# Altium PCB 10515.0462_全联供主板(2拼版)_V1.0.PcbDoc (part 1 of 18) (continued)
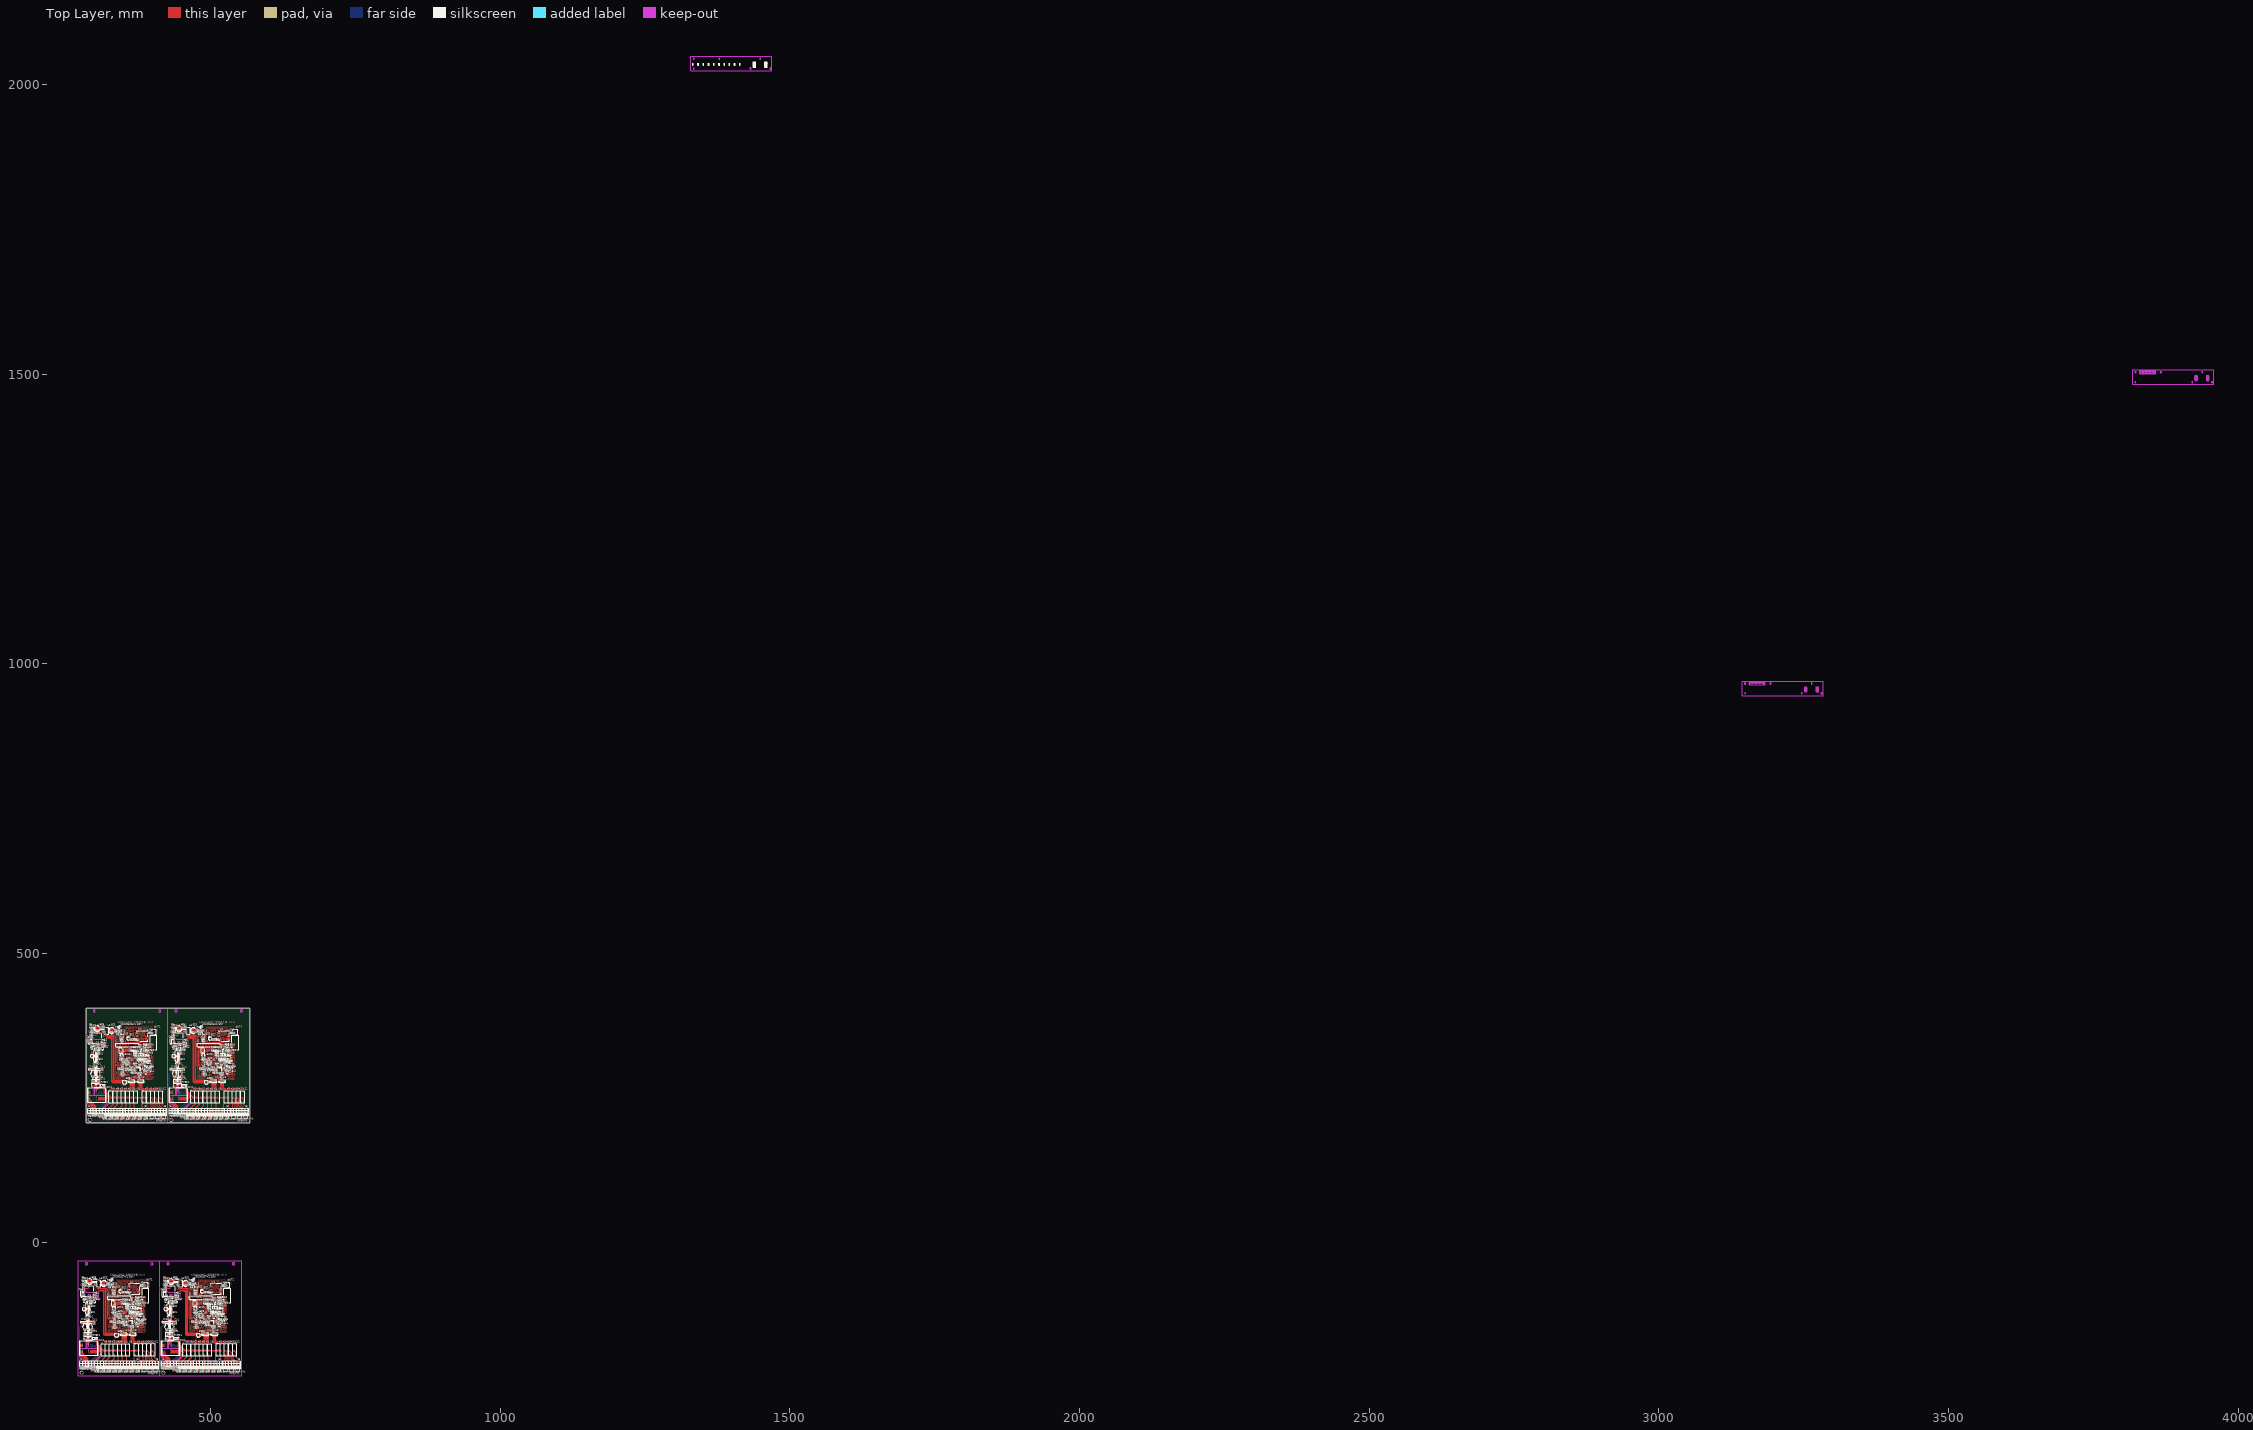
[diagram p0: Top Layer view]
## Components (designator, comment, footprint, x,y, rotation, side; value= is the part's Value field where it differs from the comment) (continued)
J6 "WJ103-5.0" CON/DIP/1×18PIN/5.0MM/WJ103-18P 492.59,225.611 r180 top
J6 "WJ103-5.0" CON/DIP/1×18PIN/5.0MM/WJ103-18P 351.59,225.611 r180 top
J6 "WJ103-5.0" CON/DIP/1×18PIN/5.0MM/WJ103-18P 478.961,-210.984 r180 top
J6 "WJ103-5.0" CON/DIP/1×18PIN/5.0MM/WJ103-18P 337.961,-210.984 r180 top
J8 "WJ103-5.0" CON/DIP/1×6PIN/5.0MM/WJ103-6P 550.092,225.611 r180 top
J8 "WJ103-5.0" CON/DIP/1×6PIN/5.0MM/WJ103-6P 409.092,225.611 r180 top
J8 "WJ103-5.0" CON/DIP/1×6PIN/5.0MM/WJ103-6P 536.463,-210.984 r180 top
J8 "WJ103-5.0" CON/DIP/1×6PIN/5.0MM/WJ103-6P 395.463,-210.984 r180 top
K1 "HF46F/024-HS1T" RELAY/HF46F-012-HSIT 535.897,261.97 r0 top
K1 "HF46F/024-HS1T" RELAY/HF46F-012-HSIT 394.897,261.97 r0 top
K1 "HF46F/024-HS1T" RELAY/HF46F-012-HSIT 522.268,-174.625 r0 top
K1 "HF46F/024-HS1T" RELAY/HF46F-012-HSIT 381.268,-174.625 r0 top
K2 "HF46F/024-HS1T" RELAY/HF46F-012-HSIT 528.785,261.97 r0 top
K2 "HF46F/024-HS1T" RELAY/HF46F-012-HSIT 387.785,261.97 r0 top
K2 "HF46F/024-HS1T" RELAY/HF46F-012-HSIT 515.156,-174.625 r0 top
K2 "HF46F/024-HS1T" RELAY/HF46F-012-HSIT 374.156,-174.625 r0 top
K3 "HF46F/024-HS1T" RELAY/HF46F-012-HSIT 513.926,261.843 r0 top
K3 "HF46F/024-HS1T" RELAY/HF46F-012-HSIT 372.926,261.843 r0 top
K3 "HF46F/024-HS1T" RELAY/HF46F-012-HSIT 500.297,-174.752 r0 top
K3 "HF46F/024-HS1T" RELAY/HF46F-012-HSIT 359.297,-174.752 r0 top
K4 "HF46F/024-HS1T" RELAY/HF46F-012-HSIT 506.824,261.843 r0 top
K4 "HF46F/024-HS1T" RELAY/HF46F-012-HSIT 365.823,261.843 r0 top
K4 "HF46F/024-HS1T" RELAY/HF46F-012-HSIT 493.195,-174.752 r0 top
K4 "HF46F/024-HS1T" RELAY/HF46F-012-HSIT 352.195,-174.752 r0 top
K5 "HF46F/024-HS1T" RELAY/HF46F-012-HSIT 499.664,261.843 r0 top
K5 "HF46F/024-HS1T" RELAY/HF46F-012-HSIT 358.664,261.843 r0 top
K5 "HF46F/024-HS1T" RELAY/HF46F-012-HSIT 486.035,-174.752 r0 top
K5 "HF46F/024-HS1T" RELAY/HF46F-012-HSIT 345.035,-174.752 r0 top
K6 "HF46F/024-HS1T" RELAY/HF46F-012-HSIT 492.504,261.843 r0 top
K6 "HF46F/024-HS1T" RELAY/HF46F-012-HSIT 351.504,261.843 r0 top
K6 "HF46F/024-HS1T" RELAY/HF46F-012-HSIT 478.875,-174.752 r0 top
K6 "HF46F/024-HS1T" RELAY/HF46F-012-HSIT 337.875,-174.752 r0 top
K7 "HF46F/024-HS1T" RELAY/HF46F-012-HSIT 485.345,261.843 r0 top
K7 "HF46F/024-HS1T" RELAY/HF46F-012-HSIT 344.345,261.843 r0 top
K7 "HF46F/024-HS1T" RELAY/HF46F-012-HSIT 471.716,-174.752 r0 top
K7 "HF46F/024-HS1T" RELAY/HF46F-012-HSIT 330.716,-174.752 r0 top
K8 "HF46F/024-HS1T" RELAY/HF46F-012-HSIT 478.185,261.843 r0 top
K8 "HF46F/024-HS1T" RELAY/HF46F-012-HSIT 337.185,261.843 r0 top
K8 "HF46F/024-HS1T" RELAY/HF46F-012-HSIT 464.556,-174.752 r0 top
K8 "HF46F/024-HS1T" RELAY/HF46F-012-HSIT 323.556,-174.752 r0 top
K9 "HF46F/024-HS1T" RELAY/HF46F-012-HSIT 471,261.843 r0 top
K9 "HF46F/024-HS1T" RELAY/HF46F-012-HSIT 330,261.843 r0 top
K9 "HF46F/024-HS1T" RELAY/HF46F-012-HSIT 457.371,-174.752 r0 top
K9 "HF46F/024-HS1T" RELAY/HF46F-012-HSIT 316.371,-174.752 r0 top
K10 "HF46F/024-HS1T" RELAY/HF46F-012-HSIT 543.016,261.97 r0 top
K10 "HF46F/024-HS1T" RELAY/HF46F-012-HSIT 402.016,261.97 r0 top
K10 "HF46F/024-HS1T" RELAY/HF46F-012-HSIT 529.387,-174.625 r0 top
K10 "HF46F/024-HS1T" RELAY/HF46F-012-HSIT 388.387,-174.625 r0 top
K11 "HF46F/024-HS1T" RELAY/HF46F-012-HSIT 550.128,261.97 r0 top
K11 "HF46F/024-HS1T" RELAY/HF46F-012-HSIT 409.128,261.97 r0 top
K11 "HF46F/024-HS1T" RELAY/HF46F-012-HSIT 536.499,-174.625 r0 top
K11 "HF46F/024-HS1T" RELAY/HF46F-012-HSIT 395.499,-174.625 r0 top
K12 "HF46F/024-HS1T" RELAY/HF46F-012-HSIT 557.367,261.97 r0 top
K12 "HF46F/024-HS1T" RELAY/HF46F-012-HSIT 416.367,261.97 r0 top
K12 "HF46F/024-HS1T" RELAY/HF46F-012-HSIT 543.738,-174.625 r0 top
K12 "HF46F/024-HS1T" RELAY/HF46F-012-HSIT 402.738,-174.625 r0 top
L1 "1mH" L/DIP/1mH 435.821,321.242 r90 top
L1 "1mH" L/DIP/1mH 294.821,321.242 r90 top
L1 "1mH" L/DIP/1mH 422.192,-115.353 r90 top
L1 "1mH" L/DIP/1mH 281.192,-115.353 r90 top
L2 "20mH/UU9.8" L/DIP/20mH/UU9.8 446.328,288.868 r180 top
L2 "20mH/UU9.8" L/DIP/20mH/UU9.8 305.328,288.868 r180 top
L2 "20mH/UU9.8" L/DIP/20mH/UU9.8 432.699,-147.727 r180 top
L2 "20mH/UU9.8" L/DIP/20mH/UU9.8 291.699,-147.727 r180 top
L3 "10UH" L/SMT/SWPA3015S150MT 478.953,361.069 r0 top
L3 "10UH" L/SMT/SWPA3015S150MT 337.953,361.069 r0 top
L3 "10UH" L/SMT/SWPA3015S150MT 465.324,-75.526 r0 top
L3 "10UH" L/SMT/SWPA3015S150MT 324.324,-75.526 r0 top
L4 "L/10uH" L/SMT/0603L 507.415,350.59 r180 top
L4 "L/10uH" L/SMT/0603L 366.415,350.59 r180 top
L4 "L/10uH" L/SMT/0603L 493.786,-86.005 r180 top
L4 "L/10uH" L/SMT/0603L 352.786,-86.005 r180 top
L5 "100uH_共模电感" L/DIP/500uH 463.6,370.656 r270 top
L5 "100uH_共模电感" L/DIP/500uH 322.6,370.656 r270 top
L5 "100uH_共模电感" L/DIP/500uH 449.971,-65.939 r270 top
L5 "100uH_共模电感" L/DIP/500uH 308.971,-65.939 r270 top
LED1 "BL-HG635A-TRB高亮绿" D/SMT/LED/0805 524.56,313.252 r270 top
LED1 "BL-HG635A-TRB高亮绿" D/SMT/LED/0805 383.56,313.252 r270 top
LED1 "BL-HG635A-TRB高亮绿" D/SMT/LED/0805 510.931,-123.343 r270 top
LED1 "BL-HG635A-TRB高亮绿" D/SMT/LED/0805 369.931,-123.343 r270 top
Q1 "BC807" BJT/SMT/SOT-23 523.798,333.699 r180 top
Q1 "BC807" BJT/SMT/SOT-23 382.798,333.699 r180 top
Q1 "BC807" BJT/SMT/SOT-23 510.169,-102.896 r180 top
Q1 "BC807" BJT/SMT/SOT-23 369.169,-102.896 r180 top
Q2 "NPN_SS8050" BJT/SMT/SOT-23 521.673,324.036 r0 top
Q2 "NPN_SS8050" BJT/SMT/SOT-23 380.673,324.036 r0 top
Q2 "NPN_SS8050" BJT/SMT/SOT-23 508.044,-112.559 r0 top
Q2 "NPN_SS8050" BJT/SMT/SOT-23 367.044,-112.559 r0 top
Q3 "NPN_SS8050" BJT/SMT/SOT-23 521.673,319.464 r0 top
Q3 "NPN_SS8050" BJT/SMT/SOT-23 380.673,319.464 r0 top
Q3 "NPN_SS8050" BJT/SMT/SOT-23 508.044,-117.131 r0 top
Q3 "NPN_SS8050" BJT/SMT/SOT-23 367.044,-117.131 r0 top
Q4 "NPN_SS8050" BJT/SMT/SOT-23 517.482,324.036 r0 top
Q4 "NPN_SS8050" BJT/SMT/SOT-23 376.482,324.036 r0 top
Q4 "NPN_SS8050" BJT/SMT/SOT-23 503.853,-112.559 r0 top
Q4 "NPN_SS8050" BJT/SMT/SOT-23 362.853,-112.559 r0 top
Q5 "NPN_SS8050" BJT/SMT/SOT-23 515.577,322.004 r180 top
Q5 "NPN_SS8050" BJT/SMT/SOT-23 374.577,322.004 r180 top
Q5 "NPN_SS8050" BJT/SMT/SOT-23 501.948,-114.591 r180 top
Q5 "NPN_SS8050" BJT/SMT/SOT-23 360.948,-114.591 r180 top
R1 "47R/1206" 1206R 434.678,366.073 r90 top
R1 "47R/1206" 1206R 293.678,366.073 r90 top
R1 "47R/1206" 1206R 421.049,-70.522 r90 top
R1 "47R/1206" 1206R 280.049,-70.522 r90 top
R2 "NC" 1206R 438.219,284.931 r0 top
R2 "NC" 1206R 297.219,284.931 r0 top
R2 "NC" 1206R 424.591,-151.664 r0 top
R2 "NC" 1206R 283.591,-151.664 r0 top
R3 "180K/5%/1206" 1206R 435.186,339.657 r90 top
R3 "180K/5%/1206" 1206R 294.186,339.657 r90 top
R3 "180K/5%/1206" 1206R 421.557,-96.938 r90 top
R3 "180K/5%/1206" 1206R 280.557,-96.938 r90 top
R4 "NC" 1206R 445.331,284.931 r0 top
R4 "NC" 1206R 304.331,284.931 r0 top
R4 "NC" 1206R 431.703,-151.664 r0 top
R4 "NC" 1206R 290.703,-151.664 r0 top
R5 "6.8K/0603" 0603R 455.218,369.259 r90 top
R5 "6.8K/0603" 0603R 314.218,369.259 r90 top
R5 "6.8K/0603" 0603R 441.589,-67.336 r90 top
R5 "6.8K/0603" 0603R 300.589,-67.336 r90 top
R6 "100R/1206" 1206R 439.758,335.593 r180 top
R6 "100R/1206" 1206R 298.758,335.593 r180 top
R6 "100R/1206" 1206R 426.129,-101.002 r180 top
R6 "100R/1206" 1206R 285.129,-101.002 r180 top
R7 "10R/0805" 0805R 454.109,339.276 r90 top
R7 "10R/0805" 0805R 313.109,339.276 r90 top
R7 "10R/0805" 0805R 440.48,-97.319 r90 top
R7 "10R/0805" 0805R 299.48,-97.319 r90 top
R8 "20K/0805" 0805R 454.109,343.848 r90 top
R8 "20K/0805" 0805R 313.109,343.848 r90 top
R8 "20K/0805" 0805R 440.48,-92.747 r90 top
R8 "20K/0805" 0805R 299.48,-92.747 r90 top
R9 "3.6K/0805" 0805R 447.632,334.196 r90 top
R9 "3.6K/0805" 0805R 306.632,334.196 r90 top
R9 "3.6K/0805" 0805R 434.003,-102.399 r90 top
R9 "3.6K/0805" 0805R 293.003,-102.399 r90 top
R10 "NC" 0805R 449.791,334.196 r90 top
R10 "NC" 0805R 308.791,334.196 r90 top
R10 "NC" 0805R 436.162,-102.399 r90 top
R10 "NC" 0805R 295.162,-102.399 r90 top
R11 "1.8R/0805" 0805R 445.219,334.196 r90 top
R11 "1.8R/0805" 0805R 304.219,334.196 r90 top
R11 "1.8R/0805" 0805R 431.59,-102.399 r90 top
R11 "1.8R/0805" 0805R 290.59,-102.399 r90 top
R12 "1.8R/0805" 0805R 443.06,334.196 r90 top
R12 "1.8R/0805" 0805R 302.06,334.196 r90 top
R12 "1.8R/0805" 0805R 429.431,-102.399 r90 top
R12 "1.8R/0805" 0805R 288.431,-102.399 r90 top
R13 "20R/0603" 0603R 482.382,363.99 r0 top
R13 "20R/0603" 0603R 341.382,363.99 r0 top
R13 "20R/0603" 0603R 468.753,-72.605 r0 top
R13 "20R/0603" 0603R 327.753,-72.605 r0 top
R14 "100K/0603" 0603R 477.175,368.943 r0 top
R14 "100K/0603" 0603R 336.175,368.943 r0 top
R14 "100K/0603" 0603R 463.546,-67.652 r0 top
R14 "100K/0603" 0603R 322.546,-67.652 r0 top
R15 "51K/0603" 0603R 485.43,366.617 r270 top
R15 "51K/0603" 0603R 344.43,366.617 r270 top
R15 "51K/0603" 0603R 471.801,-69.979 r270 top
R15 "51K/0603" 0603R 330.801,-69.979 r270 top
R16 "39K/0603" 0603R 485.43,363.355 r270 top
R16 "39K/0603" 0603R 344.43,363.355 r270 top
R16 "39K/0603" 0603R 471.801,-73.24 r270 top
R16 "39K/0603" 0603R 330.801,-73.24 r270 top
R17 "100K/0603" 0603R 480.731,368.943 r180 top
R17 "100K/0603" 0603R 339.731,368.943 r180 top
R17 "100K/0603" 0603R 467.102,-67.652 r180 top
R17 "100K/0603" 0603R 326.102,-67.652 r180 top
R18 "12K/0603" 0603R 486.827,366.617 r90 top
R18 "12K/0603" 0603R 345.827,366.617 r90 top
R18 "12K/0603" 0603R 473.198,-69.979 r90 top
R18 "12K/0603" 0603R 332.198,-69.979 r90 top
R19 "100K/0603" 0603R 494.622,302.573 r90 top
R19 "100K/0603" 0603R 353.622,302.573 r90 top
R19 "100K/0603" 0603R 480.993,-134.022 r90 top
R19 "100K/0603" 0603R 339.993,-134.022 r90 top
R20 "33K/0603" 0603R 496.146,302.573 r270 top
R20 "33K/0603" 0603R 355.146,302.573 r270 top
R20 "33K/0603" 0603R 482.517,-134.022 r270 top
R20 "33K/0603" 0603R 341.517,-134.022 r270 top
R21 "100R/0603" 0603R 489.034,298.509 r0 top
R21 "100R/0603" 0603R 348.034,298.509 r0 top
R21 "100R/0603" 0603R 475.405,-138.086 r0 top
R21 "100R/0603" 0603R 334.405,-138.086 r0 top
R22 "1K/0603" 0603R 496.971,300.16 r180 top
R22 "1K/0603" 0603R 355.971,300.16 r180 top
R22 "1K/0603" 0603R 483.343,-136.435 r180 top
R22 "1K/0603" 0603R 342.343,-136.435 r180 top
R23 "100K/0603" 0603R 483.446,300.922 r270 top
R23 "100K/0603" 0603R 342.446,300.922 r270 top
R23 "100K/0603" 0603R 469.817,-135.673 r270 top
R23 "100K/0603" 0603R 328.817,-135.673 r270 top
R24 "10K/0603" 0603R 511.005,326.83 r180 top
R24 "10K/0603" 0603R 370.005,326.83 r180 top
R24 "10K/0603" 0603R 497.376,-109.765 r180 top
R24 "10K/0603" 0603R 356.376,-109.765 r180 top
R25 "10K/0603" 0603R 511.005,325.376 r0 top
R25 "10K/0603" 0603R 370.005,325.376 r0 top
R25 "10K/0603" 0603R 497.376,-111.219 r0 top
R25 "10K/0603" 0603R 356.376,-111.219 r0 top
R26 "430R/0603" 0603R 511.005,320.338 r180 top
R26 "430R/0603" 0603R 370.005,320.338 r180 top
R26 "430R/0603" 0603R 497.376,-116.257 r180 top
R26 "430R/0603" 0603R 356.376,-116.257 r180 top
R27 "10K/0603" 0603R 511.005,323.852 r180 top
R27 "10K/0603" 0603R 370.005,323.852 r180 top
R27 "10K/0603" 0603R 497.376,-112.743 r180 top
R27 "10K/0603" 0603R 356.376,-112.743 r180 top
R28 "0R/0603" 0603R 535.089,364.654 r0 top
R28 "0R/0603" 0603R 394.089,364.654 r0 top
R28 "0R/0603" 0603R 521.461,-71.942 r0 top
R28 "0R/0603" 0603R 380.461,-71.942 r0 top
R29 "10K/0603" 0603R 517.482,287.46 r270 top
R29 "10K/0603" 0603R 376.482,287.46 r270 top
R29 "10K/0603" 0603R 503.853,-149.135 r270 top
R29 "10K/0603" 0603R 362.853,-149.135 r270 top
R30 "10K/0603" 0603R 533.103,301.303 r0 top
R30 "10K/0603" 0603R 392.103,301.303 r0 top
R30 "10K/0603" 0603R 519.474,-135.292 r0 top
R30 "10K/0603" 0603R 378.474,-135.292 r0 top
R31 "430R/0603" 0603R 529.667,301.303 r0 top
R31 "430R/0603" 0603R 388.667,301.303 r0 top
R31 "430R/0603" 0603R 516.038,-135.292 r0 top
R31 "430R/0603" 0603R 375.038,-135.292 r0 top
R32 "NC" 0603R 525.991,296.477 r270 top
R32 "NC" 0603R 384.991,296.477 r270 top
R32 "NC" 0603R 512.362,-140.118 r270 top
R32 "NC" 0603R 371.362,-140.118 r270 top
R33 "1K/0603" 0603R 526.445,312.389 r90 top
R33 "1K/0603" 0603R 385.445,312.389 r90 top
R33 "1K/0603" 0603R 512.816,-124.206 r90 top
R33 "1K/0603" 0603R 371.816,-124.206 r90 top
R34 "10K/0603" 0603R 504.528,294.278 r90 top
R34 "10K/0603" 0603R 363.528,294.278 r90 top
R34 "10K/0603" 0603R 490.899,-142.318 r90 top
R34 "10K/0603" 0603R 349.899,-142.318 r90 top
R35 "430R/0603" 0603R 501.917,331.275 r180 top
R35 "430R/0603" 0603R 360.917,331.275 r180 top
R35 "430R/0603" 0603R 488.289,-105.32 r180 top
R35 "430R/0603" 0603R 347.289,-105.32 r180 top
R36 "10K/0603" 0603R 501.917,332.926 r180 top
R36 "10K/0603" 0603R 360.917,332.926 r180 top
R36 "10K/0603" 0603R 488.289,-103.669 r180 top
R36 "10K/0603" 0603R 347.289,-103.669 r180 top
R37 "430R/0603" 0603R 505.48,331.275 r180 top
R37 "430R/0603" 0603R 364.48,331.275 r180 top
R37 "430R/0603" 0603R 491.852,-105.32 r180 top
R37 "430R/0603" 0603R 350.852,-105.32 r180 top
R38 "430R/0603" 0603R 508.902,331.275 r180 top
R38 "430R/0603" 0603R 367.902,331.275 r180 top
R38 "430R/0603" 0603R 495.274,-105.32 r180 top
R38 "430R/0603" 0603R 354.274,-105.32 r180 top
R39 "10K/0603" 0603R 505.48,332.926 r180 top
R39 "10K/0603" 0603R 364.48,332.926 r180 top
R39 "10K/0603" 0603R 491.852,-103.669 r180 top
R39 "10K/0603" 0603R 350.852,-103.669 r180 top
R40 "10K/0603" 0603R 508.902,332.926 r180 top
R40 "10K/0603" 0603R 367.902,332.926 r180 top
R40 "10K/0603" 0603R 495.274,-103.669 r180 top
R40 "10K/0603" 0603R 354.274,-103.669 r180 top
R41 "10K/0603" 0603R 522.655,335.477 r180 top
R41 "10K/0603" 0603R 381.655,335.477 r180 top
R41 "10K/0603" 0603R 509.026,-101.118 r180 top
R41 "10K/0603" 0603R 368.026,-101.118 r180 top
R42 "10K/0603" 0603R 525.356,325.825 r270 top
R42 "10K/0603" 0603R 384.356,325.825 r270 top
R42 "10K/0603" 0603R 511.727,-110.77 r270 top
R42 "10K/0603" 0603R 370.727,-110.77 r270 top
R43 "10K/0603" 0603R 525.356,321.242 r270 top
R43 "10K/0603" 0603R 384.356,321.242 r270 top
R43 "10K/0603" 0603R 511.727,-115.353 r270 top
R43 "10K/0603" 0603R 370.727,-115.353 r270 top
R44 "10K/0603" 0603R 518.371,317.686 r0 top
R44 "10K/0603" 0603R 377.371,317.686 r0 top
R44 "10K/0603" 0603R 504.742,-118.909 r0 top
R44 "10K/0603" 0603R 363.742,-118.909 r0 top
R45 "220R/5%/1206" 1206R 519.895,328.989 r0 top
R45 "220R/5%/1206" 1206R 378.895,328.989 r0 top
R45 "220R/5%/1206" 1206R 506.266,-107.606 r0 top
R45 "220R/5%/1206" 1206R 365.266,-107.606 r0 top
R46 "10K/0603" 0603R 522.308,317.686 r180 top
R46 "10K/0603" 0603R 381.308,317.686 r180 top
R46 "10K/0603" 0603R 508.679,-118.909 r180 top
R46 "10K/0603" 0603R 367.679,-118.909 r180 top
R47 "10K/0603" 0603R 518.371,319.845 r180 top
R47 "10K/0603" 0603R 377.371,319.845 r180 top
R47 "10K/0603" 0603R 504.742,-116.75 r180 top
R47 "10K/0603" 0603R 363.742,-116.75 r180 top
R48 "220R/5%/1206" 1206R 513.799,328.989 r0 top
R48 "220R/5%/1206" 1206R 372.799,328.989 r0 top
R48 "220R/5%/1206" 1206R 500.17,-107.606 r0 top
R48 "220R/5%/1206" 1206R 359.17,-107.606 r0 top
R49 "1K/0603" 0603R 518.371,322.004 r0 top
R49 "1K/0603" 0603R 377.371,322.004 r0 top
R49 "1K/0603" 0603R 504.742,-114.591 r0 top
R49 "1K/0603" 0603R 363.742,-114.591 r0 top
R50 "10K/0603" 0603R 514.561,317.686 r0 top
R50 "10K/0603" 0603R 373.561,317.686 r0 top
R50 "10K/0603" 0603R 500.932,-118.909 r0 top
R50 "10K/0603" 0603R 359.932,-118.909 r0 top
R51 "10K/0603" 0603R 514.561,326.83 r180 top
R51 "10K/0603" 0603R 373.561,326.83 r180 top
R51 "10K/0603" 0603R 500.932,-109.765 r180 top
R51 "10K/0603" 0603R 359.932,-109.765 r180 top
R52 "1K/0603" 0603R 514.585,325.393 r180 top
R52 "1K/0603" 0603R 373.585,325.393 r180 top
R52 "1K/0603" 0603R 500.956,-111.202 r180 top
R52 "1K/0603" 0603R 359.956,-111.202 r180 top
R53 "10K/0603" 0603R 530.086,318.557 r270 top
R53 "10K/0603" 0603R 389.086,318.557 r270 top
R53 "10K/0603" 0603R 516.457,-118.039 r270 top
R53 "10K/0603" 0603R 375.457,-118.039 r270 top
R54 "10K/0603" 0603R 533.183,318.557 r270 top
R54 "10K/0603" 0603R 392.183,318.557 r270 top
R54 "10K/0603" 0603R 519.554,-118.039 r270 top
R54 "10K/0603" 0603R 378.554,-118.039 r270 top
R55 "10K/0603" 0603R 530.975,331.029 r0 top
R55 "10K/0603" 0603R 389.975,331.029 r0 top
R55 "10K/0603" 0603R 517.346,-105.567 r0 top
R55 "10K/0603" 0603R 376.346,-105.567 r0 top
R56 "10R/5%/1206" 1206R 522.909,338.398 r180 top
R56 "10R/5%/1206" 1206R 381.909,338.398 r180 top
R56 "10R/5%/1206" 1206R 509.28,-98.197 r180 top
R56 "10R/5%/1206" 1206R 368.28,-98.197 r180 top
R57 "100R/0603" 0603R 534.731,318.557 r270 top
R57 "100R/0603" 0603R 393.731,318.557 r270 top
R57 "100R/0603" 0603R 521.103,-118.039 r270 top
R57 "100R/0603" 0603R 380.103,-118.039 r270 top
R58 "10R/5%/1206" 1206R 522.909,340.938 r180 top
R58 "10R/5%/1206" 1206R 381.909,340.938 r180 top
R58 "10R/5%/1206" 1206R 509.28,-95.657 r180 top
R58 "10R/5%/1206" 1206R 368.28,-95.657 r180 top
R59 "10K/0603" 0603R 534.15,331.029 r0 top
R59 "10K/0603" 0603R 393.15,331.029 r0 top
R59 "10K/0603" 0603R 520.521,-105.567 r0 top
R59 "10K/0603" 0603R 379.521,-105.567 r0 top
R60 "10K/0603" 0603R 531.634,318.557 r90 top
R60 "10K/0603" 0603R 390.634,318.557 r90 top
R60 "10K/0603" 0603R 518.006,-118.039 r90 top
R60 "10K/0603" 0603R 377.006,-118.039 r90 top
R61 "100R/0603" 0603R 528.243,321.242 r90 top
R61 "100R/0603" 0603R 387.243,321.242 r90 top
R61 "100R/0603" 0603R 514.614,-115.353 r90 top
R61 "100R/0603" 0603R 373.614,-115.353 r90 top
R62 "100R/0603" 0603R 526.846,321.242 r90 top
R62 "100R/0603" 0603R 385.846,321.242 r90 top
R62 "100R/0603" 0603R 513.217,-115.353 r90 top
R62 "100R/0603" 0603R 372.217,-115.353 r90 top
R69 "1K/0603" 0603R 501.607,300.16 r180 top
R69 "1K/0603" 0603R 360.607,300.16 r180 top
R69 "1K/0603" 0603R 487.978,-136.435 r180 top
R69 "1K/0603" 0603R 346.978,-136.435 r180 top
RF1 "100R/2W" FUSE/3.15A 452.424,272.104 r0 top
RF1 "100R/2W" FUSE/3.15A 311.424,272.104 r0 top
RF1 "100R/2W" FUSE/3.15A 438.795,-164.491 r0 top
RF1 "100R/2W" FUSE/3.15A 297.795,-164.491 r0 top
RXD1 "OTHER/TEST" TEST#2 501.099,298.763 r270 top
RXD1 "OTHER/TEST" TEST#2 360.099,298.763 r270 top
RXD1 "OTHER/TEST" TEST#2 487.47,-137.832 r270 top
RXD1 "OTHER/TEST" TEST#2 346.47,-137.832 r270 top
RY1 "TDK471KD14" RES/RY/TDK471KD14 443.28,272.612 r0 top
RY1 "TDK471KD14" RES/RY/TDK471KD14 302.28,272.612 r0 top
RY1 "TDK471KD14" RES/RY/TDK471KD14 429.651,-163.983 r0 top
RY1 "TDK471KD14" RES/RY/TDK471KD14 288.651,-163.983 r0 top
SW1 "船型开关" "DIP4 - DUPLICATE" 434.644,260.42 r270 top
SW1 "船型开关" "DIP4 - DUPLICATE" 293.644,260.42 r270 top
SW1 "船型开关" "DIP4 - DUPLICATE" 421.015,-176.175 r270 top
SW1 "船型开关" "DIP4 - DUPLICATE" 280.015,-176.175 r270 top
T1 "OTHER/TEST" TEST#2 504.147,298.89 r180 top
T1 "OTHER/TEST" TEST#2 363.147,298.89 r180 top
T1 "OTHER/TEST" TEST#2 490.518,-137.705 r180 top
T1 "OTHER/TEST" TEST#2 349.518,-137.705 r180 top
TR1 "PN8370 24V 0.4A" "L/TRANS/DIP/PN8370 24V 0.4A" 438.234,346.769 r90 top
TR1 "PN8370 24V 0.4A" "L/TRANS/DIP/PN8370 24V 0.4A" 297.234,346.769 r90 top
TR1 "PN8370 24V 0.4A" "L/TRANS/DIP/PN8370 24V 0.4A" 424.605,-89.826 r90 top
TR1 "PN8370 24V 0.4A" "L/TRANS/DIP/PN8370 24V 0.4A" 283.605,-89.826 r90 top
TXD1 "OTHER/TEST" TEST#2 502.623,298.763 r270 top
TXD1 "OTHER/TEST" TEST#2 361.623,298.763 r270 top
TXD1 "OTHER/TEST" TEST#2 488.994,-137.832 r270 top
TXD1 "OTHER/TEST" TEST#2 347.994,-137.832 r270 top
U1 "PN8370" SOP-7 447.124,341.181 r180 top
U1 "PN8370" SOP-7 306.124,341.181 r180 top
U1 "PN8370" SOP-7 433.495,-95.414 r180 top
U1 "PN8370" SOP-7 292.495,-95.414 r180 top
U2 "MP9942/SOT23-8" TSOT-8 479.087,367.603 r0 top
U2 "MP9942/SOT23-8" TSOT-8 338.087,367.603 r0 top
U2 "MP9942/SOT23-8" TSOT-8 465.458,-68.992 r0 top
U2 "MP9942/SOT23-8" TSOT-8 324.458,-68.992 r0 top
U3 "LM358" SOIC-8 485.916,304.217 r0 top
U3 "LM358" SOIC-8 344.916,304.217 r0 top
U3 "LM358" SOIC-8 472.287,-132.378 r0 top
U3 "LM358" SOIC-8 331.287,-132.378 r0 top
U4 "LSD4RF-2F717N30" MODEL/LSD4RF-2F717N30 522.782,357.575 r270 top
U4 "LSD4RF-2F717N30" MODEL/LSD4RF-2F717N30 381.782,357.575 r270 top
U4 "LSD4RF-2F717N30" MODEL/LSD4RF-2F717N30 509.153,-79.02 r270 top
U4 "LSD4RF-2F717N30" MODEL/LSD4RF-2F717N30 368.153,-79.02 r270 top
U5 "STM32F030RCT6/LQFP64" LQFP64 521.108,295.087 r180 top locked
U5 "STM32F030RCT6/LQFP64" LQFP64 380.108,295.087 r180 top locked
U5 "STM32F030RCT6/LQFP64" LQFP64 507.479,-141.508 r180 top locked
U5 "STM32F030RCT6/LQFP64" LQFP64 366.479,-141.508 r180 top locked
U6 "M24512-RMN6TP" SOP-8 485.986,293.556 r0 top
U6 "M24512-RMN6TP" SOP-8 344.986,293.556 r0 top
U6 "M24512-RMN6TP" SOP-8 472.357,-143.039 r0 top
U6 "M24512-RMN6TP" SOP-8 331.357,-143.039 r0 top
U7 "ULN2003ADR" SOP-16 509.862,281.745 r270 top
U7 "ULN2003ADR" SOP-16 368.862,281.745 r270 top
U7 "ULN2003ADR" SOP-16 496.233,-154.85 r270 top
U7 "ULN2003ADR" SOP-16 355.233,-154.85 r270 top
U8 "ULN2003ADR" SOP-16 525.229,281.745 r270 top
U8 "ULN2003ADR" SOP-16 384.229,281.745 r270 top
U8 "ULN2003ADR" SOP-16 511.6,-154.85 r270 top
U8 "ULN2003ADR" SOP-16 370.6,-154.85 r270 top
U9 "SP3485" SOP-8 530.594,322.24 r90 top
U9 "SP3485" SOP-8 389.594,322.24 r90 top
U9 "SP3485" SOP-8 516.965,-114.356 r90 top
U9 "SP3485" SOP-8 375.965,-114.356 r90 top
U10 "SPX1117" SOT-223 489,336.112 r180 top
U10 "SPX1117" SOT-223 348,336.112 r180 top
U10 "SPX1117" SOT-223 475.371,-100.483 r180 top
U10 "SPX1117" SOT-223 334.371,-100.483 r180 top
XTAL1 "OSC 12MHZ" OSC/SMT/12M 527.999,297.693 r0 top
XTAL1 "OSC 12MHZ" OSC/SMT/12M 386.999,297.693 r0 top
XTAL1 "OSC 12MHZ" OSC/SMT/12M 514.37,-138.902 r0 top
XTAL1 "OSC 12MHZ" OSC/SMT/12M 373.37,-138.902 r0 top

## Footprints (in the part's own frame and the unit in brackets; to place one, negate y for a bottom-side part, rotate by r counter-clockwise, add the part's x,y. Pads: shape width x height; smd on the part's side, far side on the other; paste and mask are expansions set on the pad)
0603R [mil]
  rect 35x32 smd: 1(-32.5,0) 2(32.5,0)
  silkscreen extent -58,-25 58,25, body extent -33,-15 30,16, height 18
0805R [mm]
  rect 1.2x1.524 smd: 1(0,0) 2(2.3,0)
  silkscreen extent -1,-1.1 3.3,1.1, body extent 0.13,-0.64 2.13,0.62, height 0.55
1206R [mm]
  rect 1.5x1.5 smd: 1(-0.02,0) 2(3.409,0)
  silkscreen extent -1.29,-1.27 4.68,1.27, body extent 0.13,-0.76 3.33,0.84, height 0.6
BJT/SMT/SOT-23 [mm]
  rect 1.143x1.27 smd: 1(0,0) 2(1.95,0)
  rect 1.27x1.27 smd: 3(1,2.5)
  silkscreen extent -0.78,-0.8 2.78,3.26
CAP/DIP/0.1uF/250V [mil]
  round 79 hole 39: 1(-399,0) 2(0,0)
  silkscreen extent -472,-118 79,118
CAP/DIP/6.8UF/400V/10MM [mm]
  oval 2x1.6 hole 1: 1(0,-2.5) 2(0,2.5)
  silkscreen extent -4.95,-5.02 5.13,4.98
CAP/DIP/10uF/50V [mm]
  oval 1x1.5 hole 0.7: 1(0,0) 2(2,0)
  silkscreen extent -1.5,-2.5 3.5,2.5
CAP/DIP/102M/250V [mm]
  round 1.5 hole 0.8: 1(0,0) 2(10,0)
  silkscreen extent -1.3,-1.29 11.46,1.31
CAP/SMT/100UF/25V [mm]
  rect 2x2 smd: 1(-0.325,-0.127) 2(6.675,-0.127)
  silkscreen extent -0.1,-3.49 6.3,2.91
CAP/SMT/220UF/16V [mm]
  rect 3.3x1.7 smd: 1(-2.789,0.007) 2(2.811,0.007)
  silkscreen extent -4.06,-3.29 3.31,3.31
CAP/SMT/220UF/50V [mm]
  rect 3.3x1.7 smd: 1(0,-5) 2(10.3,-5)
  silkscreen extent -1.27,-10.2 10.08,-0.21
CAP/SMT/330UF/6.3V [mm]
  rect 2x2 smd: 1(0.056,0) 2(7.056,0)
  silkscreen extent 0.28,-3.37 6.68,3.03
CAP/SMT/0603C [mil]
  rect 35x32 smd: 1(-1,1.97) 2(64,1.97)
  silkscreen extent -28,-24 89,30, body extent -20,-20 82,19, height 35
CAP/SMT/0805C [mm]
  rect 1.2x1.524 smd: 1(0.01,0.01) 2(2.296,0.01)
  silkscreen extent -0.99,-1.13 3.32,1.15, body extent -0.38,-0.64 2.62,0.76, height 0.93
CAP/SMT/1206C [mm]
  rect 1.5x1.5 smd: 1(0.026,0.025) 2(3.455,0.025)
  silkscreen extent -1.25,-1.24 4.73,1.3, body extent -0.38,-0.89 3.82,0.91, height 0.95
CAP/SMT/TAJC476M010RNJ [mm]
  rect 2x3.5 smd: 1(0.047,-0.183)
  oct 2x3.5 smd: 2(5.647,-0.183)
  silkscreen extent -1.25,-2.18 6.95,1.82, body extent -0.13,-1.78 5.87,1.42, height 2.6
CON/DIP/1×3PIN/5.0MM/WJ103-3P [mm]
  round 2.5 hole 1.6: 1(-5,0)
  round 2.5 hole 1.3: 2(0,0) 3(5,0)
  silkscreen extent -7.5,-7.3 8.1,6.1
CON/DIP/1×5PIN/2.0MM [mm]
  rect 1.575x1.575 hole 0.8 mask+0.102: 1(0,0)
  round 1.575 hole 0.8 mask+0.102: 2(2,0) 3(4,0) 4(6,0)
  oval 1.2x1.5 hole 0.8 mask+0.102: 5(8,0)
  silkscreen extent -1.27,-1.27 9.14,1.27
CON/DIP/1×6PIN/5.0MM/WJ103-6P [mm]
  round 2.5 hole 1.3: 1(-12.5,0) 2(-7.5,0) 3(-2.5,0) 4(2.5,0) 5(7.5,0) 6(12.5,0)
  silkscreen extent -15,-7.3 15.6,6.1
CON/DIP/1×18PIN/5.0MM/WJ103-18P [mm]
  round 2.5 hole 1.6: 1(-40,0)
  round 2.5 hole 1.3: 2(-35,0) 3(-30,0) 4(-25,0) 5(-20,0) 6(-15,0) 7(-10,0) 8(-5,0) 9(0,0) 10(5,0) 11(10,0) 12(15,0) 13(20,0) 14(25,0) 15(30,0) 16(35,0) 17(40,0) 18(45,0)
  silkscreen extent -42.5,-7.3 48.1,6.1
CON/DIP/2X15PIN/2.54MM [mil]
  round 60 hole 35.43: 1(0,0) 2(100,0) 3(0,-100) 4(100,-100) 5(0,-200) 6(100,-200) 7(0,-300) 8(100,-300) 9(0,-400) 10(100,-400) 20(100,-900) 21(0,-1000) 22(100,-1000) 23(0,-1100) 24(100,-1100) 25(0,-1200) 26(100,-1200) 27(0,-1300) 28(100,-1300) 29(0,-1400) 30(100,-1400)
  oval 60x39.37 hole 35.43: 11(0,-500) 12(100,-500) 13(0,-600) 14(100,-600) 15(0,-700) 16(100,-700) 17(0,-800) 18(100,-800) 19(0,-900)
  silkscreen extent -65,-1470 170,100
D/SMT/DO-214AC [mil]
  rect 94.49x100 smd: 1(-187.98,-2) 2(1,-2)
  silkscreen extent -274,-65 56,61, body extent -190,-55 15,47, height 40
D/SMT/LED/0805 [mil]
  rect 50x60 smd: 1(2,-6) 2(92,-6)
  silkscreen extent -28,-46 178,34
D/SMT/MD6S-TR [mm]
  oval 3x1.2 smd: 1(-2.745,1.252) 2(-2.745,-1.248) 3(2.455,-1.248) 4(2.455,1.252)
  silkscreen extent -4.37,-4.29 4.24,3.61, body extent -3.44,-2.54 3.56,2.36, height 2.9
D/SMT/SMBJ4.0A [mil]
  rect 70x100 smd: 1(-4.72,-10) 2(200,-10)
  silkscreen extent -4,-96 232,70
D/SMT/SOD123 [mm]
  rect 2x1.8 smd: 1(0.229,0) 2(4.597,0)
  silkscreen extent -1.4,-1.14 5.84,1.14, body extent 0.51,-0.76 4.21,0.84, height 1.2
D/SMT/SOD-123 [mm]
  rect 1.6x1.2 smd: 1(-1.8,0) 2(1.8,0)
  silkscreen extent -3.43,-0.9 2.78,0.9, body extent -1.91,-0.76 1.79,0.84, height 1.2
"DIP4 - DUPLICATE" [mm]
  oval 7.5x2.5 hole 1.1 slot 6.5 at 0 deg: 2(0,10.5) 4(10.5,10.5) ""(0,0) ""(10.5,0)
  silkscreen extent -7.37,-5.08 17.63,25.92
FUSE/3.15A [mm]
  round 1.8 hole 1.1: 1(0,0) 2(5.08,0)
  silkscreen extent -1.71,-2 6.79,2
L/DIP/1mH [mm]
  round 1.5 hole 0.9: 1(0,0) 2(3,0)
  silkscreen extent -1.5,-3 4.5,3
L/DIP/20mH/UU9.8 [mm]
  rect 2x2 hole 0.85: 1(0,0)
  round 2 hole 0.85: 2(0,-7) 3(8,-7) 4(8,0)
  silkscreen extent -4.25,-9 12.25,2
L/DIP/500uH [mm]
  round 2 hole 0.9: 1(0,-4.875) 2(7.55,-4.85) 3(7.55,0) 4(0,0)
  silkscreen extent -2.08,-6.16 9.92,1.34
L/SMT/0603L [mil]
  rect 35x32 smd: 1(-1,-1) 2(64,-1)
  silkscreen extent -28,-26 91,24
L/SMT/SWPA3015S150MT [mm]
  rect 1.5x3 smd: 1(0.175,0.051) 2(3.175,0.051)
  silkscreen extent 0.25,-1.91 3.17,2.03
"L/TRANS/DIP/PN8370 24V 0.4A" [mm]
  round 1.6 hole 0.8: 1(0,0) 3(0,-6) 4(0,-9) 5(0,-12) 8(14,-6) 10(14,0)
  silkscreen extent -1.95,-14.22 16.26,1.65
LQFP64 [mm]
  rect 1.55x0.22 smd: 1(-0.193,0.013) 2(-0.193,-0.487) 3(-0.193,-0.987) 4(-0.193,-1.487) 5(-0.193,-1.987) 6(-0.193,-2.487) 7(-0.193,-2.987) 8(-0.193,-3.487) 9(-0.193,-3.987) 10(-0.193,-4.487) 11(-0.193,-4.987) 12(-0.193,-5.487) 13(-0.193,-5.987) 14(-0.193,-6.487) 15(-0.193,-6.987) 16(-0.193,-7.487) 33(12.107,-7.487) 34(12.107,-6.987) 35(12.107,-6.487) 36(12.107,-5.987) 37(12.107,-5.487) 38(12.107,-4.987) 39(12.107,-4.487) 40(12.107,-3.987) 41(12.107,-3.487) 42(12.107,-2.987) 43(12.107,-2.487) 44(12.107,-1.987) 45(12.107,-1.487) 46(12.107,-0.987) 47(12.107,-0.487) 48(12.107,0.013)
  rect 0.22x1.55 smd: 17(2.207,-9.887) 18(2.707,-9.887) 19(3.207,-9.887) 20(3.707,-9.887) 21(4.207,-9.887) 22(4.707,-9.887) 23(5.207,-9.887) 24(5.707,-9.887) 25(6.207,-9.887) 26(6.707,-9.887) 27(7.207,-9.887) 28(7.707,-9.887) 29(8.207,-9.887) 30(8.707,-9.887) 31(9.207,-9.887) 32(9.707,-9.887) 49(9.707,2.413) 50(9.207,2.413) 51(8.707,2.413) 52(8.207,2.413) 53(7.707,2.413) 54(7.207,2.413) 55(6.707,2.413) 56(6.207,2.413) 57(5.707,2.413) 58(5.207,2.413) 59(4.707,2.413) 60(4.207,2.413) 61(3.707,2.413) 62(3.207,2.413) 63(2.707,2.413) 64(2.207,2.413)
  silkscreen extent 0.16,-8.5 10.7,2.04
MODEL/LSD4RF-2F717N30 [mm]
  rect 1x1.9 smd: 1(-6.89,-8.85) 2(-4.89,-8.85) 3(-2.89,-8.85) 4(-0.89,-8.85) 5(1.11,-8.85) 6(3.11,-8.85) 7(5.11,-8.85) 8(7.11,-8.85) 9(7.11,8.85) 10(5.11,8.85) 11(3.11,8.85) 12(1.11,8.85) 13(-5.11,8.85) 14(-7.11,8.85)
  silkscreen extent -9.82,-9.2 9.21,9.6
OSC/SMT/12M [mm]
  rect 1.15x1.4 smd: 1(0,0) 2(0,-2.5) 3(2,-2.5) 4(2,0)
  silkscreen extent -1.52,-3.43 2.92,1.02
RELAY/HF46F-012-HSIT [mm] "LWH(20.5*7* 15.3MM)"
  oval 1.8x2.5 hole 1.092: 1(-4.7,-18.5) 2(-4.7,-11.5) 3(0,0) 4(-4.7,0)
  silkscreen extent -5.8,-19.8 1.23,1.2
RES/RY/TDK471KD14 [mm]
  oval 2x2.5 hole 1.1: 1(-3.7,0.584) 2(3.701,-0.583)
  silkscreen extent -7.35,-3.33 6.7,3.23
SMA [mm]
  round 3 hole 1.7: 1(-2.54,2.54) 2(2.54,2.54) 3(-2.54,-2.54) 4(2.54,-2.54)
  round 2.8 hole 1.5: 5(0,0)
  silkscreen extent -4.32,-4.32 4.32,4.32
SOIC-8 [mil]
  oval 100x24 smd: 1(0.27,-0.17) 2(0.27,-50.17) 3(0.27,-100.17) 4(0.27,-150.17) 5(240.27,-150.17) 6(240.27,-100.17) 7(240.27,-50.17) 8(240.27,-0.17)
  silkscreen extent 60,-180 180,20, body extent 5,-170 241,23, height 67
SOP-7 [mil]
  oval 100x24 smd: 1(-104.73,94.83) 2(-104.73,44.83) 3(-104.73,-5.17) 4(-104.73,-55.17) 5(135.27,-55.17) 6(135.27,-5.17) 7(135.27,94.83)
  silkscreen extent -45,-85 75,115, body extent -105,-75 131,118, height 67
SOP-8 [mil]
  oval 100x24 smd: 1(0.27,-0.17) 2(0.27,-50.17) 3(0.27,-100.17) 4(0.27,-150.17) 5(240.27,-150.17) 6(240.27,-100.17) 7(240.27,-50.17) 8(240.27,-0.17)
  silkscreen extent 60,-180 180,20
SOP-16 [mm]
  oval 2.2x0.7 smd: 1(0,0) 2(0,-1.27) 3(0,-2.54) 4(0,-3.81) 5(0,-5.08) 6(0,-6.35) 7(0,-7.62) 8(0,-8.89) 9(5.588,-8.89) 10(5.588,-7.62) 11(5.588,-6.35) 12(5.588,-5.08) 13(5.588,-3.81) 14(5.588,-2.54) 15(5.588,-1.27) 16(5.588,0)
  silkscreen extent 1.52,-9.53 4.06,0.64
SOT-223 [mm]
  rect 1.1x2.15 smd: 1(-0.005,-0.002) 2(2.295,-0.002) 3(4.595,-0.002)
  rect 3.5x2.15 smd: 2(2.145,6.798)
  silkscreen extent -1.05,-1.58 5.65,8.37, body extent -0.89,-0.13 5.61,6.83, height 1.7
TEST#1 [mm]
  round 1.5 smd: 1(0,0)
  silkscreen extent -1,-1 1,1
TEST#2 [mm]
  round 1 smd: 1(0,0)
  silkscreen extent -0.65,-0.65 0.65,0.65
TSOT-8 [mm]
  rect 1.2x0.4 smd: 1(0,0) 2(0,-0.65) 3(0,-1.3) 4(0,-1.95) 5(2.746,-1.95) 6(2.746,-1.3) 7(2.746,-0.65) 8(2.746,0)
  silkscreen extent 0.64,-2.41 2.03,0.51